# Altium PCB PCB1.PcbDoc (part 2 of 2)
Units mil, origin at the board's own origin, x right, y up, seen from the top; angles counter-clockwise.
Board outline 2250 x 3490 mil, 6 copper layers (Top Layer, Mid Layer 1, Mid Layer 2, Mid Layer 3, Mid Layer 4, Bottom Layer), stack 62.874 mil thick; 102 components, 68 nets, 356 pads, 128 vias.
Unrouted connection lines stored in the file: 78.
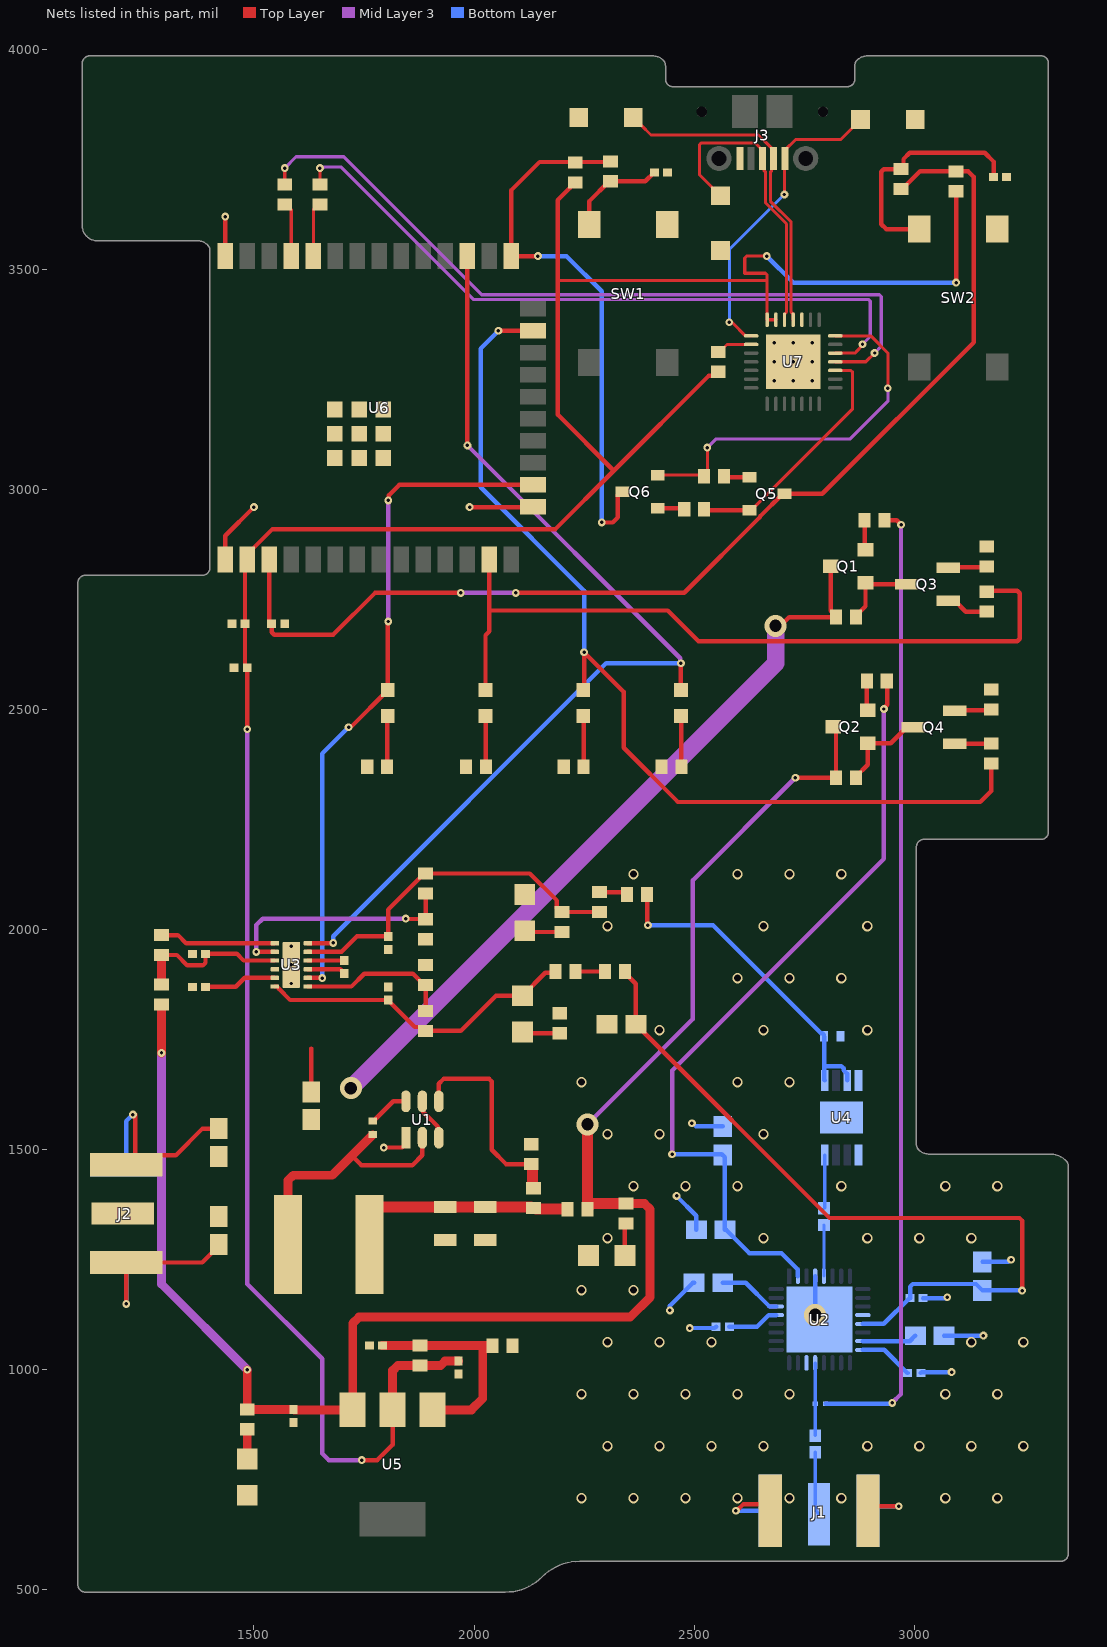
[diagram p6: the nets of this part, all layers, seen from the top]

## Part data (continued)
U1: library part CMP-04918-000361-1, "IC REG BUCK ADJ 2A TSOT23-6", Case/Package=SOT, Max Input Voltage=17V, Max Operating Temperature=125°C, Max Output Current=2A, Min Input Voltage=4.5V, Min Operating Temperature=-40°C, Output Voltage=7V, Quiescent Current=400uA, Switching Frequency=580kHz, Contact Plating=Tin, Lead Free="Lead Free", Mount="Surface Mount", Number of Outputs=1, Number of Pins=6, Operating Supply Voltage=17V, Output Type=Adjustable, RoHS Compliant=Yes
U2: library part CMP-09142-000117-1, "IC MMIC MESFET GAAS 1W 32-QFN", Case/Package=QFN, Max Operating Temperature=85°C, Max Power Dissipation=8.6W, Max Supply Voltage=14V, Min Operating Temperature=-40°C, Operating Supply Current=400mA, Operating Supply Voltage=12V, Package Quantity=50, Contact Plating=Tin, Gain=13dB, Lead Free="Contains Lead", Mount="Surface Mount", Noise Figure=5dB, Number Of Channels=1, Number of Pins=32, P1dB=29dBm, Packaging=Tray, RoHS Compliant=No, Weight=0.006653oz
U3: library part CMP-04918-000139-2, "IC REG CHARGE PUMP ADJ DL 12WSON", Max Input Voltage=5.5V, Max Operating Temperature=85°C, Max Output Voltage=5V, Min Input Voltage=2.7V, Min Operating Temperature=-40°C, Min Output Voltage=1.5V, Output Current=250mA, Quiescent Current=390uA, Switching Frequency=2.3MHz, Lead Free="Lead Free", Mount="Surface Mount", Output Type=Adjustable, Packaging="Tape and Reel", RoHS Compliant=Yes, Synchronous Rectifier=No, Topology="Charge Pump"
U4: library part CMP-09141-000299-1, "IC MMIC AMP VCO BUFFER 8-MSOP", Case/Package=MSOP, Frequency=6.8GHz, Max Operating Temperature=85°C, Max Supply Voltage=3.25V, Min Operating Temperature=-40°C, Min Supply Voltage=2.75V, Operating Supply Voltage=3V, Package Quantity=50, Lead Free="Contains Lead", Logic Function=Buffer, Number of Pins=8, Packaging="Cut Strip", Reach SVHC Compliant=Yes, RoHS Compliant=Yes, Series=-, Termination=SMD/SMT
U5: library part CMP-1679-00010-1, "Low-Dropout Positive Fixed Voltage Regulator, 1 A, 3.3 V Output Voltage, 0 to 125 degC, 4-Pin SOT-223 (318H-01), Pb-Free, Tape and Reel", Case Code (Imperial)=0603, Case Code (Metric)=1608, Max Operating Temperature="155 degC", Min Operating Temperature="-55 degC", Package Quantity=5000, Power Rating="100 mW", Resistance="220 kohm", Tolerance=1%, Type (Resistor)="Thick Film", Voltage Rating="75 V", Case\Package=0603, ComponentLink1Description="Manufacturer URL", ComponentLink1URL=http://www.onsemi.com/, ComponentLink2Description=Datasheet, ComponentLink2URL=http://www.onsemi.com/pub_link/Collateral/NCP1117-D.PDF, DatasheetVersion="Rev. 27, 09/2014", Height="0.45 mm", Length="1.55 mm", Mount="Surface Mount", PackageDescription="4-Pin Small Outline Transistor, Body 6.5 x 3.5 mm, Pitch 2.3 mm", PackageReference=SOT-223-4-318H-01_A, Packaging="Tape and Reel", Radiation Hardening=No, REACH SVHC=Unknown, RoHSCompliant=true, Weight="7.1E-05 oz", Width="0.85 mm"
U6: "Bluetooth, WiFi 802.11b/g/n, Bluetooth v4.2 +EDR, Class 1, 2 and 3 Transceiver Module 2.4GHz ~ 2.5GHz Integrated, Trace Surface Mount", Package="SMD-44 Espressif Systems", Availability="In Stock", Check_prices=https://www.snapeda.com/parts/ESP32-WROOM-32E%20(4MB%20HIGH%20TEMP)/Espressif+Systems/view-part/?ref=eda, MF="Espressif Systems", MP="ESP32-WROOM-32E (4MB HIGH TEMP)", Price=None, Purchase-URL="https://pricing.snapeda.com/search/part/ESP32-WROOM-32E (4MB HIGH TEMP)/?ref=eda", SnapEDA_Link=https://www.snapeda.com/parts/ESP32-WROOM-32E%20(4MB%20HIGH%20TEMP)/Espressif+Systems/view-part/?ref=snap
U7: library part CMP-0511-00012-1, "Single-Chip USB to UART Bridge, 1024 Bytes EEPROM, -40 to 85 degC, 28-pin QFN, Tube", Manufacturer="Silicon Labs", Code_IPC=J-STD-020C, Code_JEDEC=MO-220, ComponentLink1Description="Manufacturer URL", ComponentLink1URL=http://www.silabs.com/, ComponentLink2Description=Datasheet, ComponentLink2URL=http://www.silabs.com/Support%20Documents/TechnicalDocs/CP2102-9.pdf, ComponentLink3Description="Package Specification", ComponentLink3URL=http://www.silabs.com/Support%20Documents/TechnicalDocs/C8051T61x.pdf, DatasheetVersion="Rev. 1.5", EEPROM="1024 Bytes", Internal Oscillator=TRUE, Mounting Technology="Surface Mount", PackageDescription="28-Pin Quad-Flat No-Leads Package, Body 5 x 5 mm, Pitch 0.5 mm", PackageReference=QFN-28, PartNumber=CP2102-GM, Sub-Family="USB Bridges"

## Via types
v1: diameter 23.62, hole 15.75, Top Layer to Bottom Layer, 60 vias
v2: diameter 17.72, hole 7.87, Top Layer to Bottom Layer, 52 vias
v3: diameter 19.68, hole 7.87, Top Layer to Bottom Layer, 12 vias
v4: diameter 50, hole 28, Top Layer to Bottom Layer, 4 vias

## Nets (pads, with @x,y where several pads share a name; then routed paths per layer and width w, separated by ;. In a path a pad name is that pad's centre, name@x,y a point inside that pad or via, vN(x,y) a via of type N, cw(c..) or ccw(c..) an arc to the next point about the centre after c; other vN are vias at no path point)
5PowCtrl_MCU: D6.2 R20.1 U6.23 | length 2222.9
  Top Layer w10: v2(2055.51,3360.51) U6.23@2134.21,3360.51 ; D6.2@2248.01,2544.06 2250,2546.05 v2(2250,2630) 2340,2540 2340,2413.18 2463.18,2290 3150,2290 3175,2315 R20.1@3175,2377.36
  Bottom Layer w10: v2(2055.51,3360.51) 2015,3320 2015,3005 2250,2770 v2(2250,2630)
5PS_Dual_Cl+: C23.1 U3.10 | length 82.7
  Top Layer w10: U3.10@1622.4,1929.84 1622.48,1929.92 1704.92,1929.92 C23.1@1705,1930
5PS_Dual_Cl-: C23.2 U3.9 | length 87.2
  Top Layer w10: U3.9@1622.4,1910.16 1695.88,1910.16 1705,1901.04 C23.2@1705,1900.19
5PS_Dual_CP: C21.2 U3.5 | length 166.1
  Top Layer w10: C21.2@1390,1870 1458.71,1870 1479.19,1890.47 U3.5@1547.6,1890.47
5PS_Dual_EN+: D7.2 U3.12 U6.27 | length 2306.6
  Top Layer w10: U3.12@1622.4,1969.21 1622.48,1969.29 1679.29,1969.29 v2(1680,1970) ; v2(1985,3100) U6.27@1985,3530 ; D7.2@2470,2544.06 v2(2470,2605)
  Mid Layer 3 w10: v2(1985,3100) 2468.52,2616.48 2468.52,2606.48 v2(2470,2605)
  Bottom Layer w10: v2(1680,1970) 1680,1985 2300,2605 v2(2470,2605)
5PS_Dual_EN-: D4.2 U3.8 U6.16 | length 1532.6
  Top Layer w10: U3.8@1622.4,1890.47 1622.48,1890.39 1654.61,1890.39 v2(1655,1890) ; v2(1715,2460) 1716.48,2461.48 1721.44,2461.48 D4.2@1804.02,2544.06 1804.02,2699.02 v2(1805,2700) ; v2(1805,2975) 1806.48,2976.48 1806.48,2986.48 1830.51,3010.51 U6.16@2134.21,3010.51
  Mid Layer 3 w10: v2(1805,2700) v2(1805,2975)
  Bottom Layer w10: v2(1655,1890) 1655,2400 v2(1715,2460)
5PS_Dual_Fb+: R9.1 R10.2 U3.2 | length 553.1
  Top Layer w10: v2(1505.47,1949.53) U3.2@1547.6,1949.53 ; v2(1845,2025) 1845.74,2024.26 1889.26,2024.26 R10.2@1890,2023.52 R9.1@1890,2082.36
  Mid Layer 3 w10: v2(1505.47,1949.53) 1505.47,2010.47 1520,2025 v2(1845,2025)
5PS_Dual_Fb-: R13.1 R15.2 U3.7 | length 349.3
  Top Layer w10: U3.7@1622.4,1870.79 1721.52,1870.79 1750.73,1900 1861.17,1900 1887.05,1874.12 R13.1@1890,1874.12 R15.2@1890,1815.28
5PS_Dual_Out+: C18.2 R7.2 R8.1 R9.2 U3.11 | length 818.3
  Top Layer w10: U3.11@1622.4,1949.53 1698.86,1949.53 1734.23,1984.9 C18.2@1805,1984.9 1805,2045.59 1887.05,2127.64 R9.2@1890,2127.64 2126.63,2127.64 2188.27,2066 2188.27,2048.78 2197.05,2040 R8.1@2200,2040 R7.2@2285,2040
5PS_Dual_Out-: C22.1 LD3.2 R15.1 R16.2 U3.6 | length 736.1
  Top Layer w10: U3.6@1547.6,1870.79 1552.36,1870.79 1556.81,1866.33 1556.81,1865.47 1582.19,1840.1 C22.1@1805,1840.1 1805,1839.25 1865.47,1778.78 1881.22,1778.78 R15.1@1890,1770 1970,1770 2050,1850 LD3.2@2110,1850 2162.05,1902.05 2182.05,1902.05 R16.2@2185,1905
5PS_Dual_Out_2-: R5.1 R16.1 | length 67.1
  Top Layer w10: R16.1@2230.28,1905 R5.1@2297.36,1905
5PS_Dual_Out_3+: R6.1 R7.1 | length 64.5
  Top Layer w10: R7.1@2285,2085.28 2342.09,2085.28 R6.1@2347.36,2080
5PS_Dual_Pgood: R12.2 U3.1 | length 265.2
  Top Layer w10: R12.2@1290,1987.64 1327.38,1987.64 1345.81,1969.21 U3.1@1547.6,1969.21
5PS_Dual_Vin: C20.2 R11.1 R12.1 U3.3 | length 363.8
  Top Layer w10: R12.1@1290,1942.36 1324.99,1942.36 1348.59,1918.76 1384.14,1918.76 1390,1924.62 C20.2@1390,1945 1461.37,1945 1476.53,1929.84 U3.3@1547.6,1929.84
  Top Layer w20: R11.1@1290,1875 R12.1@1290,1942.36
5ToAMP: Q2.2 R24.1 | length 67.4
  Top Layer w10: R24.1@2892.36,2565 2892.36,2500.39 Q2.2@2894.37,2498.39
12PowCtrl_MCU: D5.2 R19.1 U6.13 | length 1718.8
  Top Layer w10: D5.2@2026.01,2544.06 2026.01,2668.99 2035,2677.98 2035,2725 ; U6.13@2035,2841.02 2035,2725 ; R19.1@3165,2767.64 3167.36,2770 3234.14,2770 3240,2764.14 3240,2660.86 3234.14,2655 2509.85,2655 2439.85,2725 2035,2725
12PS5_Out: C27.2 Q2.3 R1.1 R3.1 R11.2 R18.2 R27.2 U5.3 | length 3878.3
  Top Layer w10: v2(2730,2345) R18.2@2822.36,2345 2822.36,2454.25 Q2.3@2815.63,2460.98
  Top Layer w20: v2(1290,1720) R11.2@1290,1829.72 ; v2(1485,1000) R27.2@1485,910.28 1485.23,910.05 1589.86,910.05 C27.2@1590,909.9 1590.55,909.9 1591.44,909.02 U5.3@1724.45,909.02 1724.45,1105.55 1738.9,1120 2355,1120 2400,1165 2400,1365 2387.36,1377.64 R3.1@2345,1377.64
  Top Layer w25: v4(2257.64,1557.64) R1.1@2257.64,1365 2257.64,1367.95 2267.32,1377.64 R3.1@2345,1377.64
  Mid Layer 3 w10: v4(2257.64,1557.64) 2496.91,1796.91 2496.91,2111.91 v2(2730,2345)
  Mid Layer 3 w20: v2(1290,1720) 1290,1195 v2(1485,1000)
12PS5_SW: C2.2 L2.1 U1.2 | length 600.1
  Top Layer w10: 1720.75,1485 1724.19,1485 1744.19,1465 1860,1465 1882.6,1487.6 U1.2@1882.6,1527.3
  Top Layer w20: L2.1@1577.48,1285 1577.48,1430.41 1589.2,1442.13 1677.87,1442.13 1720.75,1485 C2.2@1770,1534.25
12PS5_Vfb: R2.1 R4.2 U1.4 | length 482.5
  Top Layer w10: U1.4@1920,1610 1920,1650 1930.91,1660.91 2034.14,1660.91 2040,1655.05 2040,1500 2072.64,1467.36 R4.2@2130,1467.36
  Top Layer w25: R4.2@2131.22,1467.36 2132.5,1466.08 2132.5,1413.92 2133.78,1412.64 R2.1@2135,1412.64
12ToAMP: Q1.2 R23.1 | length 67.9
  Top Layer w10: R23.1@2887.36,2930 2887.36,2864.96 Q1.2@2889.37,2862.95
+12V: C4.1 C5.1 C6.1 J2.1 Q1.3 R17.2 U1.3 U1.5 | length 1814
  Top Layer w10: U1.5@1882.6,1610 1884.69,1607.9 1884.69,1585.31 1917.9,1552.1 1917.9,1529.39 U1.3@1920,1527.3 ; v4(2685,2690) 2695.82,2690 2715.82,2710 R17.2@2822.36,2710 2822.36,2712.95 2810.63,2724.68 Q1.3@2810.63,2825.55
  Mid Layer 3 w40: v4(1720,1640) 2685,2605 v4(2685,2690)
AMP_ACG1: C9.1 U2.30 | length 143.7
  Bottom Layer w10: C9.1@2565,1197.91 2617.09,1197.91 2671.1,1143.9 U2.30@2686.3,1143.9
AMP_ACG2: C10.1 U2.29 | length 117.3
  Bottom Layer w10: C10.1@2579.9,1097.91 2642.91,1097.91 2669.21,1124.21 U2.29@2686.3,1124.21
AMP_ACG3: C11.1 U2.16 | length 123.5
  Bottom Layer w10: U2.16@2883.39,1045.47 2931.69,1045.47 2984.25,992.91 C11.1@2985.1,992.91
AMP_ACG4: C12.1 U2.15 | length 124.4
  Bottom Layer w10: U2.15@2883.39,1065.16 2989.73,1065.16 C12.1@3002.49,1077.91
AMP_VGG1: C13.1 C14.1 C15.1 R5.2 U2.13 | length 1771.4
  Top Layer w10: R5.2@2342.64,1905 2342.64,1902.05 2367.51,1877.17 C15.1@2367.51,1785 2807.51,1345 3239.14,1345 3245,1339.14 v2(3245,1180)
  Bottom Layer w10: U2.13@2883.39,1104.53 2930.86,1104.53 C13.1@2989.25,1162.91 ; C13.1@2990.1,1162.91 2990.94,1162.91 2990.94,1189.14 2996.8,1195 3140.4,1195 C14.1@3155,1180.4 3244.6,1180.4 v2(3245,1180)
AMP_VGG2: C16.1 C17.1 R24.2 U2.2 | length 1783.7
  Top Layer w10: v2(2931.14,2501.28) 2931.14,2503.37 2938.82,2511.05 2938.82,2563.82 R24.2@2937.64,2565
  Mid Layer 3 w10: v2(2450,1490) 2450,1680 2931.14,2161.14 v2(2931.14,2501.28)
  Bottom Layer w10: v2(2450,1490) 2562.91,1490 2570,1482.91 C16.1@2570,1317.91 2572.72,1317.91 2625.65,1264.99 2698.44,1264.99 2735.34,1228.09 2735.34,1213.2 U2.2@2735.63,1212.91
ESP32_3V3: C26.2 C30.2 C31.2 R25.1 R26.1 R28.2 R35.1 U5.2 U6.2 U7.6 U7.7 | length 6008.8
  Top Layer w7: 2190,3475 2665.94,3475 ; R25.1@2218.27,3685.63 R25.1@2230,3697.36 ; v2(2665,3530) 2619.1,3530 2615,3525.9 2615,3491.07 2661.84,3491.07 2665.94,3486.97 2665.94,3475 ; U7.6@2685.63,3385.47 U7.7@2665.94,3385.47 2665.94,3475
  Top Layer w10: v2(1484.9,2455.1) C31.2@1484.9,2595 1484.11,2595 1479.81,2599.3 C30.2@1479.81,2695 1479.81,2847.64 1542.17,2910 2185,2910 2317.5,3042.5 ; v2(1745,795) 1780,795 1815,830 U5.2@1815,909.02 ; R25.1@2230,3697.36 2227.05,3697.36 2218.27,3688.58 2218.27,3685.63 2190,3657.36 2190,3475 2190,3170 2317.5,3042.5 ; R35.1@2555,3267.36 2546.22,3258.58 2533.58,3258.58 2317.5,3042.5 ; v2(3095,3470) R26.1@3095,3677.36
  Top Layer w20: U5.2@1815,909.02 1815,998.28 1826.72,1010 R28.2@1877.36,1010 1924.09,1010 1933.95,1019.86 1964.86,1019.86 C26.2@1965,1020
  Mid Layer 3 w10: v2(1484.9,2455.1) 1484.9,1195.1 1655,1025 1655,810 1670,795 v2(1745,795)
  Bottom Layer w10: v2(2665,3530) 2725,3470 v2(3095,3470)
ESP32_Bridge_RXD: R33.1 U7.25 | length 1766.7
  Top Layer w7.26: R33.1@1570,3692.64 v2(1570,3730) ; U7.25@2820.47,3290 2890,3290 v2(2910,3310)
  Mid Layer 3 w7.26: v2(1570,3730) 1595.63,3755.63 1704.37,3755.63 2017.49,3442.51 2920.75,3442.51 2925,3438.26 2925,3325 v2(2910,3310)
ESP32_Bridge_TXD: R32.1 U7.26 | length 1592.1
  Top Layer w7.26: R32.1@1650,3692.64 v2(1650,3730) ; U7.26@2820.47,3309.68 2865.43,3309.68 2869.68,3313.94 2869.68,3314.34 2882.51,3327.17 v2(2882.51,3330)
  Mid Layer 3 w7.26: v2(1650,3730) 1652,3732 1658.65,3732 1659.48,3732.83 1697.17,3732.83 1998.25,3431.75 2895.75,3431.75 2900,3427.5 2900,3347.49 v2(2882.51,3330)
ESP32_DTR: Q6.2 R34.2 U7.28 | length 873.5
  Top Layer w7: Q6.2@2417.2,3032.4 2519.96,3032.4 R34.2@2522.36,3030 2530,3037.64 v2(2530,3095) ; U7.28@2820.47,3349.06 2900.94,3349.06 2940,3310 v2(2940,3230)
  Mid Layer 3 w7: v2(2530,3095) 2550,3115 2855,3115 2940,3200 v2(2940,3230)
ESP32_EN: C28.1 Q5.3 R26.2 R30.1 U6.3 | length 2604.1
  Top Layer w10: U6.3@1535,2841.02 1535,2699.35 1539.35,2695 C28.1@1540.19,2695 1540.19,2675.67 1546.05,2669.81 1679.81,2669.81 1775,2765 v2(1970,2765) ; v2(2095,2765.05) 2477.51,2765.05 2649.72,2937.27 2649.72,2938.66 2701.06,2990 Q5.3@2705,2990 2791.04,2990 3135,3333.96 3135,3710 3122.36,3722.64 R26.2@3095,3722.64 3013.23,3722.64 2972.95,3682.36 R30.1@2970,3682.36
  Mid Layer 3 w10: v2(1970,2765) 2095,2765 v2(2095,2765.05)
ESP32_IO0: Q6.3 R25.2 R29.1 U6.25 | length 1271.9
  Top Layer w10: v2(2145,3530) U6.25@2085,3530 2085,3680 2148.96,3743.96 2308.68,3743.96 R29.1@2310,3745.28 ; v2(2290,2925) 2315,2925 2326.93,2936.93 2326.93,2988.19 2333.74,2995 Q6.3@2337.68,2995
  Bottom Layer w10: v2(2145,3530) 2210,3530 2290,3450 v2(2290,2925)
ESP32_RTS: Q5.2 R36.1 U7.24 | length 558
  Top Layer w7: Q5.2@2625.47,2952.6 2629.41,2952.6 2860,3183.19 2860,3266.21 2855.9,3270.31 U7.24@2820.47,3270.31
  Top Layer w10: R36.1@2522.72,2955 2525.12,2952.6 Q5.2@2625.47,2952.6
ESP32_RX0: R32.2 U6.34 | length 125.3
  Top Layer w7.26: U6.34@1635,3530 1635,3635.31 1647.05,3647.36 R32.2@1650,3647.36
ESP32_TX0: R33.2 U6.35 | length 125.3
  Top Layer w7.26: R33.2@1570,3647.36 1572.95,3647.36 1585,3635.31 U6.35@1585,3530
ESP32_USB_D_N: D2.A J3.2 U7.4 | length 759.3
  Top Layer w7: D2.A@2362.01,3845 2362.01,3844.8 2379.77,3827.04 2379.96,3827.04 2402.01,3805 2646.2,3805 2670.72,3780.48 2670.72,3780.42 2680.59,3770.55 J3.2@2680.59,3751.85 2676.22,3747.48 2676.22,3723.77 2673.05,3720.6 2673.05,3655 2720.41,3607.64 2720.41,3402.81 2725,3398.21 U7.4@2725,3385.47
ESP32_USB_D_P: D1.A J3.3 U7.5 | length 697.2
  Top Layer w7: D1.A@2560,3667.01 2559.8,3667.01 2542.04,3684.77 2542.04,3684.96 2512.39,3714.61 2512.39,3783.29 2516.49,3787.39 2638.21,3787.39 2645.13,3780.48 2645.13,3780.42 2655,3770.55 J3.3@2655,3751.85 2659.37,3747.48 2659.37,3723.77 2662.55,3720.6 2662.55,3650.65 2709.91,3603.29 2709.91,3402.81 2705.31,3398.21 U7.5@2705.31,3385.47
ESP32_Vbus: D3.A J3.1 U7.8 | length 705.9
  Top Layer w7: v2(2580,3380) 2582.05,3377.95 2587.84,3377.95 2616.45,3349.34 2629.24,3349.34 U7.8@2629.53,3349.06 ; v2(2705,3670) 2705.59,3670.59 2705.59,3751.26 J3.1@2706.18,3751.85 2706.18,3770.55 2730.63,3795 2832.99,3795 2860.04,3822.04 2860.23,3822.04 2877.99,3839.8 D3.A@2877.99,3840
  Bottom Layer w7: v2(2580,3380) 2580,3545 v2(2705,3670)
GND: C4.2 C5.2 C6.2 C7.2 C8.2 C9.2 C10.2 C11.2 C12.2 C13.2 C14.2 C15.2 C16.2 C17.2 C18.1 C19.2 C20.1 C21.1 C22.2 C24.2 C25.2 C26.1 C27.1 C28.2 C29.1 C30.1 C31.1 D1.C D2.C D3.C J1.2 J1.3 J1.4 J1.5 J2.2 J2.3 J2.4 J2.5 J3.5 LD1.2 LD2.2 LD4.2 R4.1 R10.1 R13.2 R14.1 R21.1 R22.1 R31.1 R37.2 R38.2 R39.2 R40.2 SW1.4 SW2.4 U1.1 U2.4 U2.12 U2.22 U2.33 U3.4 U3.13 U4.4 U4.5 U4.9 U6.1 U6.15 U6.38 U6.39_1 U6.39_2 U6.39_3 U6.39_4 U6.39_5 U6.39_6 U6.39_7 U6.39_8 U6.39_9 U7.3 U7.29 | length 2468.4
  Top Layer w10: v2(1210.08,1149.92) J2.3@1210.08,1243.78 1382.64,1243.78 1420,1281.14 C5.2@1420,1285 ; v2@1230,1580 1230,1486.14 J2.2@1210.08,1466.22 1231.65,1487.8 1322.8,1487.8 1383.14,1548.14 C4.2@1420,1548.14 ; U6.1@1435,2841.02 1435,2895 v2(1500,2960) ; U6.38@1435,3530 v2(1435,3620) ; C6.2@1630,1631.57 1630,1730 ; v2(1795,1505) 1837.11,1505 1845.2,1513.08 U1.1@1845.2,1527.3 ; v2(1990,2960) 2133.7,2960 U6.15@2134.21,2960.51 ; v2(2595,680) 2597.09,680 2612.09,695 2657.56,695 J1.5@2672.56,680 ; J1.4@2895,680 2905,690 v2(2965,690)
  Bottom Layer w10: v2(1210.08,1149.92) J2.5@1210.08,1243.78 ; J2.4@1210.08,1466.22 1210.08,1565.08 v2(1225,1580) ; v2(2445,1135) 2445,1145.66 2497.25,1197.91 C9.2@2499.97,1197.91 ; v2(2460,1395) 2504.97,1350.03 C16.2@2504.97,1317.91 ; v2(2490,1095) 2547.18,1095 C10.2@2550.1,1097.91 ; v2(2495,1560) 2497.09,1560 2504.15,1552.94 C17.2@2565,1552.94 ; v2(2595,680) J1.3@2672.56,680 ; U2.4@2775,1212.91 2775,1124.21 U2.33@2784.84,1114.37 ; J1.2@2895,680 2905,690 v2(2965,690) ; C11.2@3014.9,992.91 3016.99,995 v2(3085,995) ; C13.2@3019.9,1162.91 3072.91,1162.91 v2(3075,1165) ; C12.2@3067.51,1077.91 v2(3157.09,1077.91) ; C14.2@3155,1245.43 3213.34,1245.43 3217.91,1250 v2(3220,1250)
  other v1: 2244.09,708.66 2362.2,708.66 2480.31,708.66 2598.42,708.66 2716.53,708.66 2834.64,708.66 3070.87,708.66 3188.98,708.66 2303.15,826.77 2421.26,826.77 2539.37,826.77 2657.48,826.77 2893.7,826.77 3011.81,826.77 3129.92,826.77 3248.03,826.77 2244.09,944.88 2362.2,944.88 2480.31,944.88 2598.42,944.88 2716.53,944.88 3070.87,944.88 3188.98,944.88 2303.15,1062.99 2421.26,1062.99 2539.37,1062.99 3129.92,1062.99 3248.03,1062.99 2244.09,1181.1 2362.2,1181.1 2303.15,1299.21 2657.48,1299.21 2893.7,1299.21 3011.81,1299.21 3129.92,1299.21 2362.2,1417.32 2480.31,1417.32 2598.42,1417.32 2834.64,1417.32 3070.87,1417.32 3188.98,1417.32 2303.15,1535.43 2421.26,1535.43 2657.48,1535.43 2244.09,1653.54 2598.42,1653.54 2716.53,1653.54 2421.26,1771.65 2657.48,1771.65 2893.7,1771.65 2598.42,1889.76 2716.53,1889.76 2834.64,1889.76 2303.15,2007.87 2657.48,2007.87 2893.7,2007.87 2362.2,2125.98 2598.42,2125.98 2716.53,2125.98 2834.64,2125.98
  other v3: 1585,1877.68 1585,1920 1585,1962.32 2681.69,3246.69 2725,3246.69 2768.31,3246.69 2681.69,3290 2725,3290 2768.31,3290 2681.69,3333.31 2725,3333.31 2768.31,3333.31
  other v4: 2775,1125
NetC1_1: C1.1 L1.2 U2.21 | length 165.2
  Bottom Layer w7.26: C1.1@2775,850.6 L1.2@2775,922.91 U2.21@2775,1015.82
NetC2_1: C2.1 U1.6 | length 93.5
  Top Layer w10: C2.1@1770,1565.75 1771.97,1565.75 1816.22,1610 U1.6@1845.2,1610
NetC3_2: C3.2 U2.5 | length 116.3
  Bottom Layer w7.26: U2.5@2794.68,1212.91 2794.68,1328.76 C3.2@2795,1329.07
NetC7_1: C7.1 C8.1 L2.2 R1.2 R2.2 | length 525.8
  Top Layer w25: L2.2@1762.52,1285 1762.52,1351 1781.52,1370 C7.1@1935,1370 C8.1@2025,1370 2129.41,1370 2132.05,1367.36 2137.95,1367.36 2140.31,1365 R1.2@2212.36,1365
NetC24_1: C24.1 R29.2 SW1.2 | length 228.7
  Top Layer w10: SW1.2@2261.42,3601.5 2261.42,3654.37 2307.05,3700 R29.2@2310,3700 2389.25,3700 2409.25,3720 C24.1@2410.1,3720
NetC25_1: C25.1 R30.2 SW2.2 | length 536.6
  Top Layer w10: SW2.2@3011.42,3591.5 2936.14,3591.5 2925,3602.64 2925,3721.78 2930.86,3727.64 R30.2@2970,3727.64 2975.56,3733.2 2975.56,3750.56 2990,3765 3160,3765 3180.19,3744.81 C25.1@3180.19,3710
NetC29_2: C29.2 R28.1 R31.2 U5.1 | length 491.7
  Top Layer w20: C29.2@1792.27,1055 1792.4,1055.14 1877.22,1055.14 R28.1@1877.36,1055.28 1883.96,1055.28 1884.09,1055.14 1935.94,1055.14 ; U5.1@1905.55,909.02 1994.02,909.02 2020,935 2020,1055 ; 1939.72,1055 2020,1055 ; R31.2@2042.36,1055 2020,1055
NetD4_1: D4.1 R37.1 | length 115.6
  Top Layer w10: R37.1@1802.64,2370 1802.64,2483.62 D4.1@1804.02,2485
NetD5_1: D5.1 R38.1 | length 115.4
  Top Layer w10: D5.1@2026.01,2485 2026.99,2484.02 R38.1@2026.99,2370
NetD6_1: D6.1 R39.1 | length 115.4
  Top Layer w10: D6.1@2248.01,2485 2248.99,2484.02 R39.1@2248.99,2370
NetD7_1: D7.1 R40.1 | length 115.4
  Top Layer w10: D7.1@2470,2485 2470.98,2484.02 R40.1@2470.98,2370
NetLD1_1: LD1.1 R3.2 | length 73.3
  Top Layer w10: LD1.1@2342.68,1260 2342.68,1330.04 R3.2@2345,1332.36
NetLD2_1: LD2.1 R8.2 | length 86.1
  Top Layer w10: LD2.1@2115,1997.32 2117.6,1994.72 R8.2@2200,1994.72
NetLD3_1: LD3.1 R14.2 | length 86.1
  Top Layer w10: LD3.1@2110,1767.32 2112.6,1764.72 R14.2@2195,1764.72
NetLD4_1: LD4.1 R27.1 | length 67.3
  Top Layer w20: LD4.1@1485,797.68 R27.1@1485,865
NetQ1_1: Q1.1 Q3.3 R17.1 | length 181.8
  Top Layer w10: R17.1@2867.64,2710 2867.64,2712.95 2889.37,2734.68 Q1.1@2889.37,2788.15 2892.52,2785 Q3.3@2982.76,2785
NetQ2_1: Q2.1 Q4.3 R18.1 | length 208.1
  Top Layer w10: R18.1@2867.64,2345 2867.64,2347.95 2894.37,2374.68 Q2.1@2894.37,2423.58 2946.57,2423.58 2982.99,2460 Q4.3@2997.76,2460
NetQ3_1: Q3.1 R19.2 | length 98.2
  Top Layer w10: Q3.1@3077.24,2747.6 3092.01,2747.6 3117.24,2722.36 R19.2@3165,2722.36
NetQ3_2: Q3.2 R21.2 | length 88.8
  Top Layer w10: Q3.2@3077.24,2822.4 3078.54,2823.7 3163.7,2823.7 R21.2@3165,2825
NetQ4_1: Q4.1 R20.2 | length 82.8
  Top Layer w10: Q4.1@3092.26,2422.62 R20.2@3175,2422.64
NetQ4_2: Q4.2 R22.2 | length 83.8
  Top Layer w10: Q4.2@3092.24,2497.4 3093.54,2498.7 3173.7,2498.7 R22.2@3175,2500
NetQ5_1: Q5.1 R34.1 | length 58.9
  Top Layer w10: R34.1@2567.64,3030 2570.24,3027.4 Q5.1@2625.47,3027.4
NetQ6_1: Q6.1 R36.2 | length 61.3
  Top Layer w10: Q6.1@2417.2,2957.6 2474.84,2957.6 R36.2@2477.44,2955
NetR35_2: R35.2 U7.9 | length 81.5
  Top Layer w7: R35.2@2555,3312.64 2557.95,3312.64 2574.68,3329.37 U7.9@2629.53,3329.37
RF_AMP_OUT: C1.2 J1.1 | length 144.4
  Bottom Layer w7.26: C1.2@2775,812.91 2775,680.91 J1.1@2783.78,672.13
RF_AMP_VDD_12V: L1.1 R23.2 | length 2197
  Top Layer w10: R23.2@2932.64,2930 2960,2930 v2(2970,2920)
  Mid Layer 3 w10: v2(2950,925) 2970,945 v2(2970,2920)
  Bottom Layer w10: L1.1@2798.62,922.91 2945.83,922.91 2947.91,925 v2(2950,925)
VcoRfOut: C3.1 U4.8 | length 122.2
  Bottom Layer w7.26: C3.1@2795,1366.75 2796.61,1368.37 U4.8@2796.61,1488.27
VcoVcc3V: C19.1 R6.2 U4.1 U4.3 | length 754.7
  Top Layer w10: R6.2@2392.64,2080 2393.82,2078.82 2393.82,2011.18 v2(2395,2010)
  Bottom Layer w10: v2(2395,2010) 2542.91,2010 2788.19,1764.72 2791.14,1764.72 2795,1760.87 C19.1@2795,1757.91 2795.81,1757.11 2795.81,1690 ; U4.1@2796.61,1657.56 2795.81,1658.37 2795.81,1690 ; U4.3@2847.8,1657.56 2847.8,1672.32 2839.56,1680.56 2839.56,1684.7 2834.58,1689.68 2796.13,1689.68 2795.81,1690
pads on no net: J3.4 J3.6 J3.7 J3.8 J3.9 J3.10 J3.11 SW1.1 SW1.3 SW2.1 SW2.3 U2.1 U2.3 U2.6 U2.7 U2.8 U2.9 U2.10 U2.11 U2.14 U2.17 U2.18 U2.19 U2.20 U2.23 U2.24 U2.25 U2.26 U2.27 U2.28 U2.31 U2.32 U4.2 U4.6 U4.7 U5.4 U6.4 U6.5 U6.6 U6.7 U6.8 U6.9 U6.10 U6.11 U6.12 U6.14 U6.17 U6.18 U6.19 U6.20 U6.21 U6.22 U6.24 U6.26 U6.28 U6.29 U6.30 U6.31 U6.32 U6.33 U6.36 U6.37 U7.1 U7.2 U7.10 U7.11 U7.12 U7.13 U7.14 U7.15 U7.16 U7.17 U7.18 U7.19 U7.20 U7.21 U7.22 U7.23 U7.27

## Polygon pours and split planes (outlines as drawn)
+12V on Top Layer "NONET_L-01_P-001" (solid, pour order 0): 1345,1220 1485,1220 1485,1410 1555,1480 1965,1480 1965,1680 1590,1680 1535,1625 1344,1625 1115,1434.17 1115,1220
GND on Top Layer "NONET_L-01_P-001" (solid, shelved, pour order 4): 1170,1340 1170,2595 2960,2595 2960,1340
GND on Top Layer "NONET_L-01_P-001" (solid, shelved, pour order 3): 1175,605 1175,1460 3310,1460 3310,605
GND on Top Layer "NONET_L-01_P-001" (solid, shelved, pour order 1): 1412.5,3737.5 1480,3805 2045,3805 2190,3950 2415,3950 2415,3840 2465,3790 2920,3790 2920,3845 2985,3910 3200,3910 3255,3855 3255,2255 1575,2255 1412.5,2417.5
GND on Bottom Layer "NONET_L-01_P-001" (solid, pour order 2): 2640,570 2640,1800 2925,1800 2925,570
GND on Mid Layer 4 (split plane): 168 vertices, not listed, extent 1120.1,515.03 3329.9,3964.94
GND on Mid Layer 2 (split plane): 168 vertices, not listed, extent 1120.1,515.03 3329.9,3964.94
GND on Mid Layer 1 (split plane): 168 vertices, not listed, extent 1120.1,515.03 3329.9,3964.94

## Silkscreen, mask and mechanical layers (free items; w line width, h text height)
Top Overlay:
  lines w7.87: 1185,2375 1325,2375 cw(c1325,2254.29) 1410.36,2339.64 1499.64,2250.36 ccw(c1585,2335.71) 1585,2215 2420,2215 ; 2500,944.14 2500,1951.01 cw(c2618.28,1951.01) 2534.64,2034.64 cw(c2620,1949.29) 2620,2070
  text "Digital Sub Section" at 1215.41,3797.06 h60
  text "Boot" at 2284.95,3135 h60
  text "EN" at 3065.41,3130 h60
  text "-2V" at 1665.41,2495 h60
  text "12V" at 1890.41,2495 h60
  text "5V" at 2100.41,2490 h60
  text "3V3" at 2325.41,2490 h60
  text "Power Section" at 1200.83,2230 h60
  text "RF Sub Section" at 2667.94,1540.41 h60 r90
  text "12V" at 1236.65,1140 h60
  text "RF Out" at 2685.83,794.19 h60
Bottom Overlay:
  lines w7.87: 2325,820 2270,820 cw(c2270,940.71) 2184.64,855.36 cw(c2256.21,926.92) 2155,926.92 2155,1350 cw(c2275.71,1350) 2190.36,1435.36 2334.64,1579.64 ccw(c2249.29,1665) 2370,1665 2370,1935 cw(c2490.71,1935) 2405.36,2020.36 cw(c2476.92,1948.79) 2476.92,2050 2740,2050
  text "Power sequencer Programming" at 2799.79,3613.53 h60
  text "The power-down sequence  / 1. Remove VGG2 bias / 2. Remove VDD bias / 3. Remove VGG1 bias" at 3046.63,3475 h50 r270
  text "The power-up bias sequence / 1. Set VGG1 to -2 V / 2. Set VDD to 12 V / 3. Set VGG2 to 5 V / 4. Adjust VGG1 to achieve IDD for 400 mA" at 3023.27,2270 h50 r270
  text "12V" at 1250.81,1412.09 h60 r90
  text "RF Sub Section" at 2337.94,1379.59 h60 r90
  text "RF Out" at 2580.81,789.17 h60 r90
Mechanical 1:
  lines w7.87: 1100,512.07 ccw(c1117.07,512.07) 1105,500 ccw(c1117.07,512.07) 1117.07,495 2071.01,495 ccw(c2071.01,613.28) 2154.64,529.64 cw(c2240,444.29) 2240,565 3332.93,565 ccw(c3332.93,582.07) 3345,570 ccw(c3332.93,582.07) 3350,582.07 3350,1462.93 ccw(c3332.93,1462.93) 3345,1475 ccw(c3308.79,1438.79) 3308.79,1490 3034.14,1490 cw(c3034.14,1524.14) 3010,1500 cw(c3022.07,1512.07) 3005,1512.07 3005,2187.93 cw(c3022.07,2187.93) 3010,2200 cw(c3022.07,2187.93) 3022.07,2205 3287.93,2205 ccw(c3287.93,2222.07) 3300,2210 ccw(c3287.93,2222.07) 3305,2222.07 3305,3967.93 ccw(c3287.93,3967.93) 3300,3980 ccw(c3287.93,3967.93) 3287.93,3985 2894.14,3985 ccw(c2894.14,3950.86) 2870,3975 ccw(c2882.07,3962.93) 2865,3962.93 2865,3932.07 cw(c2847.93,3932.07) 2860,3920 cw(c2847.93,3932.07) 2847.93,3915 2452.07,3915 cw(c2452.07,3932.07) 2440,3920 cw(c2452.07,3932.07) 2435,3932.07 2435,3962.93 ccw(c2417.93,3962.93) 2430,3975 ccw(c2405.86,3950.86) 2405.86,3985 1365,3985 1127.07,3985 ccw(c1127.07,3967.93) 1115,3980 ccw(c1127.07,3967.93) 1110,3967.93 1110,3599.14 ccw(c1144.14,3599.14) 1120,3575 ccw(c1144.14,3599.14) 1144.14,3565 1370.86,3565 cw(c1370.86,3530.86) 1395,3555 cw(c1382.93,3542.93) 1400,3542.93 1400,2822.07 cw(c1382.93,2822.07) 1395,2810 cw(c1382.93,2822.07) 1382.93,2805 1117.07,2805 ccw(c1117.07,2787.93) 1105,2800 ccw(c1117.07,2787.93) 1100,2787.93 1100,512.07

## Text inside footprints (layer, text, board x,y; h text height)
J3: Mechanical 1 "PCB EDGE" at 2745,3935 h11.81 r180
U6: Top 3D Body "ANTENNA" at 1287.76,2949.29 h70 r90